# Altium PCB UltraZOhm_CarrierBoard.PcbDoc (part 8 of 12)
Units mm, origin at the board's own origin, x right, y up, seen from the top; angles counter-clockwise.
Board outline 350 x 128 mm, 6 copper layers (Top Layer, L02_GND, L03_Sig, L04_Sig, L05_VCC, Bottom Layer), stack 2.021 mm thick; 851 components, 1243 nets, 4332 pads, 2446 vias.
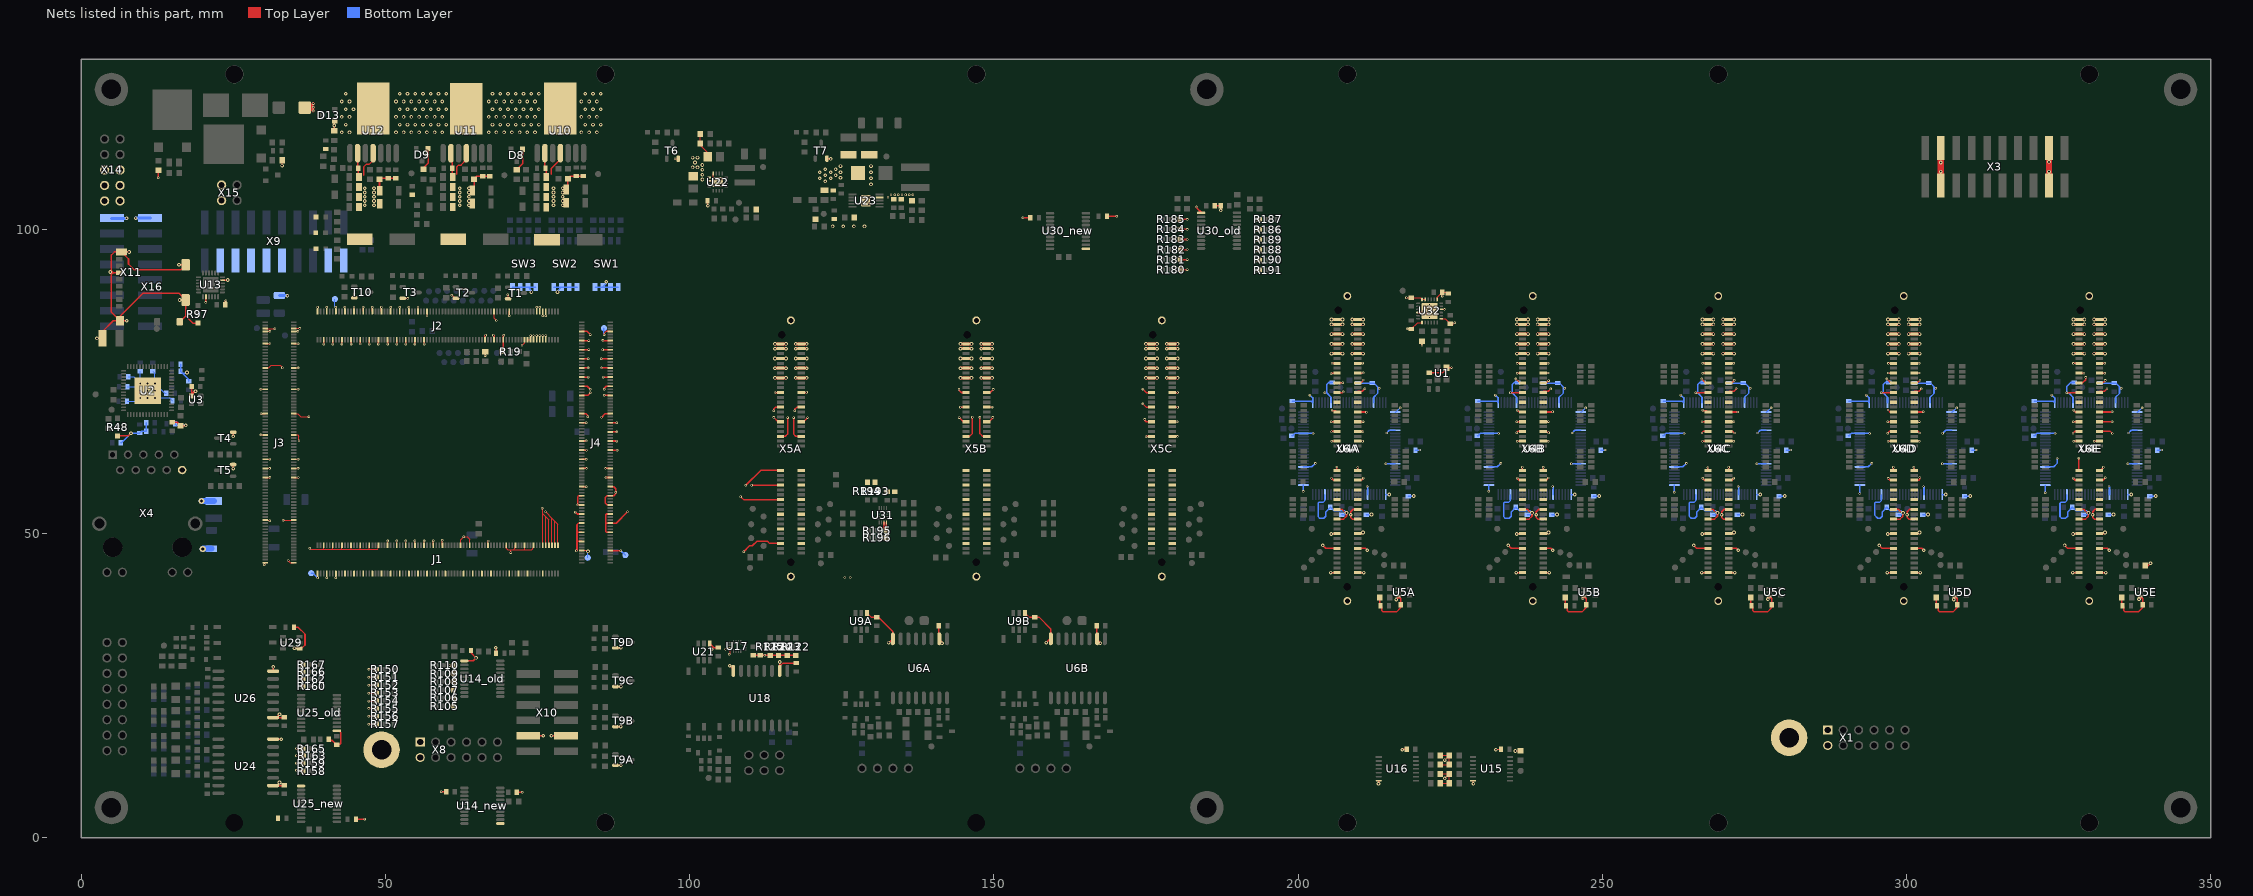
[diagram p12: the nets of this part, all layers, seen from the top]

## Via types
v1: diameter 0.4, hole 0.2, Top Layer to Bottom Layer, tented bottom, 866 vias
v2: diameter 0.4, hole 0.2, Top Layer to Bottom Layer, tented both sides, 783 vias
v3: diameter 0.6, hole 0.3, Top Layer to Bottom Layer, tented both sides, 508 vias
v4: diameter 0.6, hole 0.3, Top Layer to Bottom Layer, tented bottom, 276 vias
v5: diameter 0.5, hole 0.2, Top Layer to Bottom Layer, tented bottom, 5 vias
v6: diameter 0.5, hole 0.3, Top Layer to Bottom Layer, tented bottom, 5 vias
v7: diameter 1, hole 0.5, Top Layer to Bottom Layer, tented bottom, 2 vias
v8: diameter 0.4, hole 0.2, Top Layer to Bottom Layer, 1 vias

## Nets (pads, with @x,y where several pads share a name; then routed paths per layer and width w, separated by ;. In a path a pad name is that pad's centre, name@x,y a point inside that pad or via, vN(x,y) a via of type N, cw(c..) or ccw(c..) an arc to the next point about the centre after c; other vN are vias at no path point) (continued)
GND: C1.1 C2.1 C3.1 C4.2 C5.2 C6.2 C7.2 C8.2 C9.2 C10.2 C11.2 C12.2 C13.2 C14.2 C15.2 C16.1 C17.1 C18.1 C19.2 C20.2 C22A.1 C22B.1 C22C.1 C22D.1 C22E.1 C23A.1 C23B.1 C23C.1 C23D.1 C23E.1 C24A.1 C24B.1 C24C.1 C24D.1 C24E.1 C25A.1 C25B.1 C25C.1 C25D.1 C25E.1 C26A.1 C26B.1 C26C.1 C26D.1 C26E.1 C27A.1 C27B.1 C27C.1 C27D.1 C27E.1 C28A.1 C28B.1 C28C.1 C28D.1 C28E.1 C29A.1 C29B.1 C29C.1 C29D.1 C29E.1 C30A.1 C30B.1 C30C.1 C30D.1 C30E.1 C31A.1 C31B.1 C31C.1 C31D.1 C31E.1 C32A.1 C32B.1 C32C.1 C32D.1 C32E.1 C33A.1 C33B.1 C33C.1 C33D.1 C33E.1 C34A.1 C34B.1 C38A.2 C38B.2 C41.2 C42.2 C43.2 C44.2 C45.1 C46.2 C47.2 C48.1 C49.1 C50.2 C51.2 C52.2 C53.2 C54.2 C55.1 C56.2 C57.2 C58.1 C59.1 C60.2 C61.2 C62.2 C63.2 C64.2 C65.1 C66.2 C67.2 C68.1 C69.1 C70.2 C71.2 C72.1 C73.1 C74.1 C75.1 C76.1 C77.1 C78.2 C79.1 C82.2 C85.2 C86.2 C87.2 C89.2 C90.1 C91.1 C92.1 C93.1 C94.2 C95.2 C96.1 C98.1 C100.2 C101.2 C103.2 C108.1 C109.1 C110.2 C111.1 C112.2 C113.1 C114.2 C115.2 C116.1 C117.2 C118.2 C119.1 C120.1 C122.2 C123.2 C124.2 C125.2 D8.1 D9.1 D10.1 D11.1 D12.1 D13.1 D17.2 D23.2 J1.1 J1.6 J1.7 J1.12 J1.13 J1.18 J1.19 J1.24 J1.25 J1.30 J1.31 J1.36 J1.37 J1.42 J1.43 J1.48 J1.49 J1.54 J1.55 J1.60 J1.61 J1.66 J1.67 J1.72 J1.73 J1.78 J1.79 J1.84 J1.85 J1.96 J1.97 J1.102 J1.103 J1.109 J1.114 J1.115 J1.126 J1.127 J1.132 J1.133 J1.138 J1.139 J1.144 J1.149 J1.150 J1.152 J1.154 J1.156 J1.158 J1.160 J2.2 J2.5 J2.8 J2.11 J2.14 J2.17 J2.20 J2.23 J2.26 J2.29 J2.32 J2.35 J2.38 J2.41 J2.44 J2.47 J2.50 J2.53 J2.56 J2.59 J2.62 J2.65 J2.68 J2.71 J2.74 J2.111 J2.117 J2.118 J2.123 J2.128 J2.137 J2.139 J2.141 J2.143 J2.145 J2.146 J2.147 J2.148 J2.149 J2.150 J2.151 J2.152 J3.1 J3.2 J3.29 J3.30 J3.57 J3.58 J3.63 J3.64 J3.69 J3.70 J3.85 J3.86 J3.99 J3.100 J3.115 J3.116 J3.129 J3.130 J3.145 J3.146 J3.153 J3.154 J3.155 J3.156 J4.9 J4.10 J4.16 J4.21 J4.22 J4.27 J4.28 J4.33 J4.34 J4.39 J4.40 J4.45 J4.46 J4.51 J4.52 J4.57 J4.63 J4.64 J4.70 J4.75 J4.76 J4.81 J4.82 J4.87 J4.93 J4.94 J4.99 J4.100 J4.111 J4.112 J4.117 J4.118 J4.123 J4.124 J4.129 J4.130 J4.135 J4.136 J4.141 J4.142 J4.147 J4.148 J4.153 J4.154 R10.1 R19.1 R42.1 R48.3 R55.2 R56.2 R75A.2 R75B.2 R75C.2 R75D.2 R75E.2 R83.1 R85.1 R87.1 R89.1 R94.1 R96.1 R97.1 R105.1 R106.1 R107.1 R108.1 R109.1 R110.1 R111.1 R112.1 R113.1 R114.1 R115.1 R116.1 R117.1 R118.1 R119.1 R122.3 R123.1 R124.3 R125.3 R137.1 R138.2 R144.2 R145.2 R150.1 R151.1 R152.1 R153.1 R154.1 R155.1 R156.1 R157.1 R158.3 R159.3 R160.3 R162.3 R163.1 R165.1 R166.1 R167.1 R173.1 R180.1 R181.1 R182.1 R183.1 R184.1 R185.1 R186.1 R187.1 R188.1 R189.1 R190.1 R191.1 R193.3 R194.3 R195.3 R196.3 R200.1 R205.1 R206.1 R220.1 SW1.1 SW1.2 SW1.3 SW1.4 SW2.1 SW2.2 SW2.3 SW2.4 SW3.1 SW3.2 SW3.3 SW3.4 T1.2 T2.2 T3.2 T4.2 T5.2 T6.2 T7.2 T9A.2 T9B.2 T9C.2 T9D.2 T10.2 TP28.1 TP29.1 TP30.1 TP31.1 TP32.1 U1.2 U2.57 U3.2 U4A.1 U4A.7 U4A.18 U4A.26 U4A.32 U4A.46 U4A.51 U4A.57 U4A.68 U4A.76 U4A.82 U4A.96 U4B.1 U4B.7 U4B.18 U4B.26 U4B.32 U4B.46 U4B.51 U4B.57 U4B.68 U4B.76 U4B.82 U4B.96 U4C.1 U4C.7 U4C.18 U4C.26 U4C.32 U4C.46 U4C.51 U4C.57 U4C.68 U4C.76 U4C.82 U4C.96 U4D.1 U4D.7 U4D.18 U4D.26 U4D.32 U4D.46 U4D.51 U4D.57 U4D.68 U4D.76 U4D.82 U4D.96 U4E.1 U4E.7 U4E.18 U4E.26 U4E.32 U4E.46 U4E.51 U4E.57 U4E.68 U4E.76 U4E.82 U4E.96 U5A.3 U5B.3 U5C.3 U5D.3 U5E.3 U6A.2 U6A.8 U6B.2 U6B.8 U9A.4 U9B.4 U10.2 U10.4 U10.8 U11.2 U11.4 U11.8 U12.2 U12.4 U12.8 U13.2 U13.11 U14_new.11 U14_old.1 U15.7 U16.7 U17.7 U17.8 U18.2 U18.8 U21.4 U22.4 U22.5 U22.6 U22.17@104.623,107.782 U23.9 U23.11 U24.2 U24.8 U25_new.11 U25_old.1 U26.2 U26.8 U29.4 U30_new.11 U30_old.1 U31.7 U31.8 U32.1 U32.4 U32.7 U32.11 U32.12 U32.16 U32.19 U32.25 X1.1 X1.2 X1.H1 X3.2 X3.9 X3.12 X3.19 X4.10 X5A.1 X5A.2 X5A.3 X5A.4 X5A.7 X5A.8 X5A.11 X5A.12 X5A.15 X5A.16 X5A.21 X5A.22 X5A.27 X5A.28 X5A.33 X5A.34 X5A.39 X5A.40 X5A.45 X5A.46 X5A.51 X5A.52 X5A.57 X5A.58 X5A.63 X5A.64 X5A.69 X5A.70 X5A.75 X5A.76 X5A.G1 X5A.G2 X5B.1 X5B.2 X5B.3 X5B.4 X5B.7 X5B.8 X5B.11 X5B.12 X5B.15 X5B.16 X5B.21 X5B.22 X5B.27 X5B.28 X5B.33 X5B.34 X5B.39 X5B.40 X5B.45 X5B.46 X5B.51 X5B.52 X5B.57 X5B.58 X5B.63 X5B.64 X5B.69 X5B.70 X5B.75 X5B.76 X5B.G1 X5B.G2 X5C.1 X5C.2 X5C.3 X5C.4 X5C.7 X5C.8 X5C.11 X5C.12 X5C.15 X5C.16 X5C.21 X5C.22 X5C.27 X5C.28 X5C.33 X5C.34 X5C.39 X5C.40 X5C.45 X5C.46 X5C.51 X5C.52 X5C.57 X5C.58 X5C.63 X5C.64 X5C.69 X5C.70 X5C.75 X5C.76 X5C.G1 X5C.G2 X6A.1 X6A.2 X6A.3 X6A.4 X6A.7 X6A.8 X6A.11 X6A.12 X6A.15 X6A.16 X6A.19 X6A.20 X6A.23 X6A.24 X6A.27 X6A.28 X6A.31 X6A.32 X6A.35 X6A.36 X6A.39 X6A.40 X6A.43 X6A.44 X6A.47 X6A.48 X6A.51 X6A.52 X6A.55 X6A.56 X6A.59 X6A.60 X6A.63 X6A.64 X6A.67 X6A.68 X6A.71 X6A.72 X6A.75 X6A.76 X6A.81 X6A.82 X6A.87 X6A.88 X6A.97 X6A.98 X6A.G1 X6A.G2 X6B.1 X6B.2 X6B.3 X6B.4 X6B.7 X6B.8 X6B.11 X6B.12 X6B.15 X6B.16 X6B.19 X6B.20 X6B.23 X6B.24 X6B.27 X6B.28 X6B.31 X6B.32 X6B.35 X6B.36 X6B.39 X6B.40 X6B.43 X6B.44 X6B.47 X6B.48 X6B.51 X6B.52 X6B.55 X6B.56 X6B.59 X6B.60 X6B.63 X6B.64 X6B.67 X6B.68 X6B.71 X6B.72 X6B.75 X6B.76 X6B.81 X6B.82 X6B.87 X6B.88 X6B.97 X6B.98 X6B.G1 X6B.G2 X6C.1 X6C.2 X6C.3 X6C.4 X6C.7 X6C.8 X6C.11 X6C.12 X6C.15 X6C.16 X6C.19 X6C.20 X6C.23 X6C.24 X6C.27 X6C.28 X6C.31 X6C.32 X6C.35 X6C.36 X6C.39 X6C.40 X6C.43 X6C.44 X6C.47 X6C.48 X6C.51 X6C.52 X6C.55 X6C.56 X6C.59 X6C.60 X6C.63 X6C.64 X6C.67 X6C.68 X6C.71 X6C.72 X6C.75 X6C.76 X6C.81 X6C.82 X6C.87 X6C.88 X6C.97 X6C.98 X6C.G1 X6C.G2 X6D.1 X6D.2 X6D.3 X6D.4 X6D.7 X6D.8 X6D.11 X6D.12 X6D.15 X6D.16 X6D.19 X6D.20 X6D.23 X6D.24 X6D.27 X6D.28 X6D.31 X6D.32 X6D.35 X6D.36 X6D.39 X6D.40 X6D.43 X6D.44 X6D.47 X6D.48 X6D.51 X6D.52 X6D.55 X6D.56 X6D.59 X6D.60 X6D.63 X6D.64 X6D.67 X6D.68 X6D.71 X6D.72 X6D.75 X6D.76 X6D.81 X6D.82 X6D.87 X6D.88 X6D.97 X6D.98 X6D.G1 X6D.G2 X6E.1 X6E.2 X6E.3 X6E.4 X6E.7 X6E.8 X6E.11 X6E.12 X6E.15 X6E.16 X6E.19 X6E.20 X6E.23 X6E.24 X6E.27 X6E.28 X6E.31 X6E.32 X6E.35 X6E.36 X6E.39 X6E.40 X6E.43 X6E.44 X6E.47 X6E.48 X6E.51 X6E.52 X6E.55 X6E.56 X6E.59 X6E.60 X6E.63 X6E.64 X6E.67 X6E.68 X6E.71 X6E.72 X6E.75 X6E.76 X6E.81 X6E.82 X6E.87 X6E.88 X6E.97 X6E.98 X6E.G1 X6E.G2 X8.1 X8.2 X8.H1 X9.4 X9.6 X9.8 X9.10 X9.12 X9.18 X9.20 X10.2 X10.8 X11.8 X11.16 X14.3 X14.4 X14.5 X14.8 X14.9 X14.10 X15.1 X15.2 X16.6 X16.10 X16.G1 X16.G2 X16.G3 X16.G4 | length 1202.4
  Top Layer w0.2: v2(29.566,66.243) 30.28,66.243 J3.86@30.287,66.236 ; v2(29.566,73.736) J3.116@30.287,73.736 ; v2(29.591,69.723) 29.604,69.736 J3.100@30.287,69.736 ; v2(30.099,44.882) 30.287,45.07 J3.2@30.287,45.236 ; J3.30@30.287,52.236 30.924,52.236 v2(31.013,52.146) ; J3.58@30.287,59.236 31.017,59.236 v2(31.039,59.258) ; J3.64@30.287,60.736 30.983,60.736 v2(30.988,60.731) ; J3.70@30.287,62.236 30.994,62.236 v2(31.013,62.255) ; J3.130@30.287,77.236 30.83,77.236 31.242,77.648 32.715,77.648 v1(33.096,77.267) ; J3.146@30.287,81.236 31.02,81.236 v2(31.039,81.255) ; J3.154@30.287,83.236 v2(31.039,83.236) ; J3.156@30.287,83.736 30.33,83.693 v1(31.852,83.693) ; R173.1@33.036,111.369 33.036,110.49 v3(33.042,110.484) ; v1(33.198,52.222) 34.943,52.222 J3.29@34.957,52.236 ; v2(34.061,45.593) 34.418,45.236 J3.1@34.957,45.236 ; J3.57@34.957,59.236 35.684,59.236 v2(35.687,59.233) ; J3.63@34.957,60.736 35.657,60.736 v2(35.662,60.731) ; J3.69@34.957,62.236 35.656,62.236 v2(35.662,62.23) ; J3.85@34.957,66.236 35.618,66.236 35.814,66.04 v2(35.814,65.278) ; J3.99@34.957,69.736 35.623,69.736 36.144,69.215 37.414,69.215 v1(37.44,69.24) ; J3.115@34.957,73.736 v1(35.662,73.736) ; J3.129@34.957,77.236 35.656,77.236 v2(35.662,77.241) ; J3.145@34.957,81.236 35.655,81.236 v2(35.662,81.229) ; J3.153@34.957,83.236 v2(35.636,83.236) ; J3.155@34.957,83.736 35.933,83.736 v1(35.941,83.744) ; v1(37.6,47.6) 37.744,47.456 39.872,47.456 ; v2(38.862,42.748) 38.872,42.758 J1.1@38.872,43.451 ; v2(38.862,87.224) 38.872,87.214 J2.2@38.872,86.521 ; J1.6@39.872,48.121 39.872,47.456 ; v2(40.361,42.748) 40.372,42.76 J1.7@40.372,43.451 ; v2(40.361,87.224) 40.372,87.212 J2.8@40.372,86.521 ; J1.12@41.372,48.121 41.372,47.47 41.386,47.456 ; v2(41.859,42.748) 41.872,42.761 J1.13@41.872,43.451 ; v2(41.859,87.224) 41.872,87.211 J2.14@41.872,86.521 ; J1.18@42.872,48.121 42.872,47.484 42.9,47.456 ; v2(43.358,87.224) 43.372,87.209 J2.20@43.372,86.521 ; J1.24@44.372,48.121 44.372,47.484 44.4,47.456 ; v2(44.856,87.224) 44.872,87.208 J2.26@44.872,86.521 ; v2(44.882,89.433) 44.899,89.416 T10.2@44.899,88.75 ; J1.30@45.872,48.121 45.872,47.484 45.9,47.456 ; v2(46.355,87.224) 46.372,87.207 J2.32@46.372,86.521 ; J1.36@47.372,48.121 47.372,47.484 47.4,47.456 ; v2(47.854,87.224) 47.872,87.205 J2.38@47.872,86.521 ; J1.42@48.872,48.121 48.872,47.572 48.756,47.456 47.4,47.456 ; v2(49.352,87.224) 49.372,87.204 J2.44@49.372,86.521 ; v2(50.368,48.819) 50.372,48.815 J1.48@50.372,48.121 ; J2.50@50.872,86.521 50.872,87.219 v2(50.876,87.224) ; v2(51.867,48.819) 51.872,48.814 J1.54@51.872,48.121 ; J2.56@52.372,86.521 52.372,87.221 v2(52.375,87.224) ; T3.2@52.856,88.692 53.65,88.692 v2(53.67,88.671) ; v2(53.365,48.819) 53.372,48.812 J1.60@53.372,48.121 ; J2.62@53.872,86.521 53.872,87.222 v2(53.873,87.224) ; v2(54.864,48.844) 54.872,48.836 J1.66@54.872,48.121 ; J2.68@55.372,86.521 v2(55.372,87.224) ; v2(56.363,48.819) 56.372,48.809 J1.72@56.372,48.121 ; v2(56.845,85.801) 56.872,85.828 J2.74@56.872,86.521 ; v2(57.861,48.844) 57.872,48.833 J1.78@57.872,48.121 ; v2(59.36,48.92) 59.36,48.133 J1.84@59.372,48.121 ; v2(60.935,89.179) 61.011,89.179 61.527,88.664 T2.2@61.606,88.664 ; J1.96@62.372,48.121 62.372,48.972 v1(62.9,49.5) 63.5,49.5 63.872,49.128 J1.102@63.872,48.121 ; J1.114@66.872,48.121 66.872,48.772 v2(66.9,48.8) ; J2.118@67.872,86.521 67.872,85.417 v1(68.25,85.039) ; J1.126@69.872,48.121 69.872,47.628 70.1,47.4 70.6,47.4 ; v2(70.104,89.281) 70.175,89.21 T1.2@70.175,88.6 ; J2.128@70.372,86.521 70.372,85.838 v2(70.383,85.827) ; v1(70.6,46.9) 70.6,47.4 ; J1.132@71.372,48.121 71.372,47.672 71.1,47.4 ; v2(72.466,80.975) 72.872,81.381 J2.137@72.872,81.851 ; J1.138@72.872,48.121 72.872,47.472 72.8,47.4 ; J2.139@73.372,81.851 J2.141@73.872,81.851 73.872,82.541 v2(73.863,82.55) ; v2(74.346,82.55) 74.372,82.524 J2.143@74.372,81.851 ; J1.144@74.372,48.121 74.372,47.738 74.034,47.4 72.8,47.4 ; v2(74.854,82.55) 74.872,82.532 J2.145@74.872,81.851 ; J2.146@74.872,86.521 74.872,87.216 v2(74.879,87.224) ; v2(75.362,82.55) 75.372,82.54 J2.147@75.372,81.851 ; J2.148@75.372,86.521 75.372,87.208 v2(75.387,87.224) ; v1(75.768,54.178) 75.872,54.074 75.872,53.264 ; v2(75.87,82.55) 75.872,82.548 J2.149@75.872,81.851 ; v2(75.87,85.827) 75.872,85.829 J2.150@75.872,86.521 ; J1.150@75.872,48.121 75.872,53.264 ; v1(76.327,53.619) 77.372,52.574 ; J1.152@76.372,48.121 76.372,52.764 ; J2.151@76.372,81.851 76.372,82.544 v2(76.378,82.55) ; J2.152@76.372,86.521 76.372,85.832 v2(76.378,85.827) ; J1.154@76.872,48.121 76.872,52.264 76.372,52.764 ; J1.156@77.372,48.121 77.372,52.574 ; J1.158@77.872,48.121 77.872,52.074 ; J1.160@78.372,48.121 78.372,51.574 77.872,52.074 ; J4.10@82.287,47.236 82.351,47.3 83.1,47.3 v3(83.3,47.1) ; v2(97.6,111.6) 97.613,111.613 T6.2@98.131,111.613 ; R138.2@101.766,115.656 101.766,113.834 102.988,112.612 C86.2@102.988,111.923 ; C87.2@102.958,104.709 102.958,103.942 v4(103,103.9) ; U22.6@103.223,108.032 103.873,108.032 v6(104.123,108.282) ; U22.4@103.873,109.182 103.873,108.532 v6(104.123,108.282) ; v6(104.623,107.782) v6(104.123,108.282) ; v2(105.9,31) 106.173,31.273 U17.7@106.646,31.273 ; v2(106.5,30.2) 106.646,30.346 U17.8@106.646,30.873 ; v3(106.6,28.3) 107.186,27.714 U18.8@107.186,27.464 ; v1(217.8,88.775) 217.801,88.774 C113.1@218.553,88.774 220.079,88.774 U32.12@220.354,88.499 U32.11@220.854,88.499 ; v1(217.9,83.65) 217.901,83.649 C112.2@218.603,83.649 219.653,84.699 U32.19@220.354,84.699 ; R206.1@220.346,81.651 220.346,80.954 v1(220.35,80.95) ; U32.7@222.854,88.499 222.854,88.858 C114.2@223.701,89.706 ; R115.1@223.391,8.995 R114.1@224.839,8.995 R113.1@224.839,10.519 ; R116.1@223.391,10.519 R113.1@224.839,10.519 ; R117.1@223.391,12.043 R112.1@224.839,12.043 R111.1@224.839,13.539 ; R119.1@223.391,13.567 R111.1@224.839,13.567 R111.1@224.839,13.539 ; U32.1@223.504,85.349 224.157,85.349 C115.2@225.007,84.499 225.549,84.499 v1(225.725,84.675) ; U32.4@223.504,86.849 224.049,86.849 v1(224.05,86.85) ; v1(223.7,89.05) 223.701,89.051 C114.2@223.701,89.706 ; v3(224.1,9.8) 224.12,9.8 R113.1@224.839,10.519 ; v3(224.1,12.8) R111.1@224.839,13.539 ; C116.1@224.706,89.474 224.474,89.706 C114.2@223.701,89.706 ; U15.7@228.741,9.413 228.741,8.959 v3(228.8,8.9) ; v3(232.5,14.5) 232.583,14.583 C76.1@233.321,14.583 ; v3(235.7,14.3) 235.767,14.367 R118.1@236.561,14.367 ; 39.872,47.456 41.386,47.456 ; 41.386,47.456 42.9,47.456 ; 42.9,47.456 44.4,47.456 ; 44.4,47.456 45.9,47.456 ; 45.9,47.456 47.4,47.456 ; 70.6,47.4 71.1,47.4 ; 71.1,47.4 72.8,47.4 ; 75.872,53.264 76.372,52.764 ; 77.372,52.574 77.872,52.074
  Top Layer w0.254: v3(2.6,82.1) 2.607,82.093 C72.1@3.541,82.093 3.541,83.241 5.282,84.982 X16.G1@6.415,84.982 ; v3(4.8,93) 4.908,92.892 5.292,92.892 ; R48.3@6.001,66.075 7.775,66.075 v4(8.2,66.5) ; v3(7.5,85) 7.482,84.982 X16.G1@6.415,84.982 ; v3(7.9,96.3) 7.898,96.302 X16.G2@6.64,96.302 ; v1(12.7,108.5) R220.1@12.7,109.7 ; C18.1@14.999,68.312 15.805,68.312 R56.2@16.344,67.774 17.174,67.774 v3(17.2,67.8) ; v3(16.1,94.2) 16.123,94.177 X16.G3@17.19,94.177 16.414,93.4 8.7,93.4 7.8,94.3 7.8,95.142 X16.G2@6.64,96.302 ; v3(16.2,88.4) 16.207,88.407 X16.G4@17.19,88.407 ; X16.10@16.215,84.807 17.19,85.782 ; U3.2@18.037,72.756 U3.2@18.186,72.905 ; C3.1@18.186,74.191 U3.2@18.186,72.905 ; v3(18.8,73.4) 18.681,73.4 U3.2@18.186,72.905 ; R97.1@19.204,84.615 18.357,84.615 17.19,85.782 ; v2(20.5,88) 20.525,88.025 U13.2@20.525,88.949 ; U13.11@23.225,91.649 24.049,91.649 v3(24.1,91.7) ; C71.2@23.703,87.596 23.703,88.203 v2(23.8,88.3) ; T5.2@24.986,61.361 24.986,60.714 v4(25,60.7) ; v3(25,66) 25.01,66.01 T4.2@25.01,66.661 ; U24.2@31.566,8.609 U24.2@32.104,8.609 ; U24.8@31.566,16.229 32.891,16.229 v3(32.893,16.231) ; U26.2@31.566,19.785 U26.2@32.078,19.785 ; U26.8@31.566,27.405 31.566,28.112 v3(31.572,28.118) ; v3(32.614,9.119) U24.2@32.104,8.609 ; v3(32.614,20.32) U26.2@32.078,19.785 ; C96.1@33.416,8.674 33.351,8.609 U24.2@32.104,8.609 ; C98.1@33.416,19.85 33.351,19.785 U26.2@32.078,19.785 ; C103.2@35.003,34.631 35.669,34.631 36.8,33.5 36.8,31.7 36.241,31.141 35.103,31.141 v4(35.077,31.166) ; v1(35.388,11.1) R158.3@36.412,11.1 ; v1(35.388,12.3) R159.3@36.412,12.3 ; v1(35.388,13.5) R163.1@36.412,13.5 ; v1(35.4,14.7) R165.1@36.425,14.7 ; J2.5@39.872,81.851 39.872,81.159 v2(39.878,81.153) ; C120.1@40.477,16.423 C120.1@40.7,16.2 40.882,16.018 41.282,16.018 41.677,15.623 41.677,15.523 41.9,15.3 C119.1@42,15.3 42.082,15.382 42.551,15.382 42.7,15.531 42.7,17.3 42.378,17.622 U25_old.1@41.956,17.622 ; J2.11@41.372,81.851 41.372,81.158 v2(41.377,81.153) ; R96.1@41.613,116.213 v3(41.613,117.08) 41.613,117.732 D13.1@41.717,117.836 ; J2.17@42.872,81.851 42.872,81.156 v2(42.875,81.153) ; J2.23@44.372,81.851 44.372,81.155 v2(44.374,81.153) ; C100.2@45.3,3.1 v1(46.6,3.1) ; U12.2@45.449,112.537 45.449,110.159 C65.1@45.555,110.053 45.555,108.751 C64.2@45.683,108.623 ; v2(45.872,81.178) J2.29@45.872,81.851 ; 46.435,108.88 46.435,110.28 46.835,110.68 47.335,110.68 47.989,111.334 U12.4@47.989,112.537 ; v1(47.288,18.7) R157.1@48.512,18.7 ; v1(47.288,20) R156.1@48.512,20 ; v1(47.288,21.3) R155.1@48.512,21.3 ; v1(47.288,22.5) R154.1@48.512,22.5 ; v1(47.288,23.8) R153.1@48.512,23.8 ; v1(47.288,25.1) R152.1@48.512,25.1 ; v1(47.288,26.4) R151.1@48.512,26.4 ; v1(47.3,27.7) R150.1@48.525,27.7 ; v2(47.371,81.153) v2(47.371,81.153) J2.35@47.372,81.851 ; v2(48.87,81.153) 48.872,81.155 J2.41@48.872,81.851 ; C68.1@49.074,106.358 49.074,106.958 49.047,106.985 R94.1@49.047,108.225 49.227,108.405 C67.2@51.681,108.405 ; v2(50.368,81.153) 50.372,81.157 J2.47@50.372,81.851 ; v2(51.867,81.153) 51.872,81.158 J2.53@51.872,81.851 ; v2(53.365,81.153) 53.372,81.16 J2.59@53.372,81.851 ; v2(54.864,81.153) 54.872,81.161 J2.65@54.872,81.851 ; R89.1@56.249,109.869 56.249,110.094 57.035,110.88 57.035,113.25 D9.1@56.985,113.3 56.985,112.63 v3(56.735,112.38) ; J2.71@56.372,81.851 56.372,81.169 v2(56.388,81.153) ; v1(59.2,7.6) C124.2@60,7.6 ; v2(60.554,23.012) R106.1@61.202,23.012 ; v2(60.554,24.384) 60.574,24.364 R107.1@61.202,24.364 ; v2(60.579,21.692) 60.587,21.684 R105.1@61.202,21.684 ; v2(60.579,25.705) R108.1@61.202,25.705 ; v2(60.579,27.026) v2(60.579,27.026) R109.1@61.202,27.025 ; v2(60.579,28.321) 60.624,28.366 R110.1@61.202,28.366 ; U11.2@60.775,112.525 60.984,112.316 60.984,108.702 C54.2@61.07,108.615 ; 61.735,109.08 61.735,110.28 62.035,110.58 62.435,110.58 63.315,111.46 U11.4@63.315,112.525 ; U14_old.1@63.207,29.125 64.456,29.125 v3(64.922,29.591) 64.062,30.451 C74.1@64.062,30.808 ; C58.1@64.267,106.389 64.585,106.707 R87.1@64.585,108.281 65.029,108.725 C57.2@67.171,108.725 ; R10.1@66.372,79.978 R10.1@66.416,79.933 66.416,79.294 v1(66.396,79.273) ; J2.111@66.372,81.851 66.372,82.501 v2(66.472,82.601) ; v2(67.767,82.626) 67.872,82.521 J2.117@67.872,81.851 ; v3(68.148,31.267) 68.199,31.217 C73.1@68.199,30.377 ; R19.1@69.053,79.856 69.372,80.175 69.372,82.529 v2(69.469,82.626) ; C125.2@71.6,7.5 v1(72.5,7.5) ; R85.1@71.601,109.843 72.556,110.798 72.556,112.501 ; v3(72.235,112.18) 72.556,112.501 ; D8.1@72.556,113.209 72.556,112.501 ; X10.2@73.488,16.79 v3(75.941,16.79) ; U10.2@76.229,112.549 76.229,110.149 76.448,109.93 C44.2@76.448,108.614 ; 77.235,109.08 77.235,109.991 78.769,111.525 U10.4@78.769,112.549 ; v3(77.292,16.789) X10.8@79.711,16.79 ; C49.1@79.745,106.565 79.988,106.808 R83.1@79.988,108.356 80.407,108.774 C47.2@82.523,108.774 ; v1(81.24,53.55) 81.554,53.236 J4.34@82.287,53.236 ; v2(81.4,47.2) 81.5,47.3 81.5,48.7 ; J4.16@82.287,48.736 81.536,48.736 81.5,48.7 ; J4.22@82.287,50.236 81.536,50.236 81.5,50.2 ; J4.28@82.287,51.736 81.736,51.736 81.5,51.5 81.5,50.2 ; J4.40@82.287,54.736 v2(81.585,54.737) v2(81.585,54.737) 81.585,56.032 81.788,56.236 J4.46@82.287,56.236 ; J4.52@82.287,57.736 83.005,57.736 v2(83.007,57.734) ; J4.64@82.287,60.736 83.053,60.736 v2(83.058,60.731) ; J4.70@82.287,62.236 83.027,62.236 v2(83.033,62.23) ; J4.76@82.287,63.736 83.051,63.736 v2(83.058,63.729) ; J4.82@82.287,65.236 82.991,65.236 v2(83.007,65.253) ; J4.94@82.287,68.236 82.996,68.236 v2(83.007,68.224) ; J4.100@82.287,69.736 82.943,69.736 83.261,69.418 v1(83.261,69.215) ; J4.112@82.287,72.736 83.302,72.736 v1@83.718,73.152 ; J4.118@82.287,74.236 83.168,74.236 v1(83.668,73.736) ; J4.124@82.287,75.736 83.356,75.736 v1(83.363,75.743) ; J4.130@82.287,77.236 83.307,77.236 v1(83.312,77.241) ; J4.136@82.287,78.736 83.359,78.736 v1(83.363,78.74) ; J4.142@82.287,80.236 83.386,80.236 v1(83.414,80.264) ; J4.148@82.287,81.736 v1(83.414,81.737) v1(83.414,81.737) ; J4.154@82.287,83.236 83.185,83.236 v1(83.693,82.728) ; v1(85.496,78.765) 85.526,78.736 J4.135@86.957,78.736 ; v1(85.522,69.139) 85.547,69.139 86.144,69.736 J4.99@86.957,69.736 ; v1(85.522,77.241) 85.527,77.236 J4.129@86.957,77.236 ; v1(85.7,80.239) 85.702,80.236 J4.141@86.957,80.236 ; v1(85.75,81.763) 85.777,81.736 J4.147@86.957,81.736 ; v1(85.827,75.743) 85.833,75.736 J4.123@86.957,75.736 ; v1(85.954,82.728) 85.954,82.906 86.284,83.236 J4.153@86.957,83.236 ; v1(85.979,72.746) 85.989,72.736 J4.111@86.957,72.736 ; v1(85.979,73.736) 85.979,73.914 86.301,74.236 J4.117@86.957,74.236 ; v2(86.182,60.731) 86.187,60.736 J4.63@86.957,60.736 ; v2(86.258,59.233) 86.262,59.236 J4.57@86.957,59.236 ; J4.9@86.957,47.236 88.664,47.236 v2(88.7,47.2) ; J4.21@86.957,50.236 86.364,50.236 86.2,50.4 86.2,51.75 ; J4.33@86.957,53.236 86.336,53.236 86.2,53.1 86.2,51.75 ; J4.39@86.957,54.736 86.463,54.736 86.131,55.067 86.131,55.931 86.437,56.236 87.529,56.236 87.884,56.591 v2(87.884,56.82) 87.884,57.379 87.527,57.736 J4.51@86.957,57.736 ; J4.75@86.957,63.736 88.08,63.736 v2(88.087,63.729) ; J4.87@86.957,66.736 88.052,66.736 v1(88.062,66.726) ; J4.93@86.957,68.236 88.025,68.236 v2(88.036,68.224) ; J4.81@86.966,65.227 J4.81@86.957,65.236 88.028,65.236 v2(88.036,65.227) ; T9A.2@87.815,11.929 88.707,11.929 v3(88.716,11.938) ; T9B.2@87.815,18.279 88.656,18.279 v3(88.691,18.313) ; T9C.2@87.815,24.883 88.707,24.883 v3(88.716,24.892) ; T9D.2@87.815,31.233 88.682,31.233 v3(88.716,31.267) ; v1(89.8,53.6) 87.936,51.736 86.214,51.736 86.2,51.75 ; U21.4@103.31,31.959 103.985,31.284 ; v3(103.6,31) 103.884,31.284 103.985,31.284 ; C82.2@104.72,31.284 103.985,31.284 ; v1(108.382,56.083) 108.865,55.6 X5A.57@114.94,55.6 ; v1(108.89,47.041) 109.855,48.006 110.312,48.006 111.1,48.793 112.751,48.793 113.144,48.4 X5A.75@114.94,48.4 ; v1(109.245,57.963) 111.683,60.4 X5A.45@114.94,60.4 ; v1(110.185,57.963) 110.222,58 X5A.51@114.94,58 ; C78.2@110.488,30.011 v2@112.332,30.011 ; v2(112.344,30.023) v2@112.332,30.011 ; R125.3@113.243,30.011 R125.3@113.257,29.997 ; v2(113.843,69.113) 113.856,69.113 114.569,68.4 X5A.33@114.94,68.4 ; v2(113.843,70.206) 113.843,70.485 114.158,70.8 X5A.27@114.94,70.8 ; v2(114.046,73.203) 114.049,73.2 X5A.21@114.94,73.2 ; U18.2@114.806,27.464 U18.2@114.806,28.191 ; v3(114.808,28.931) 114.806,28.929 U18.2@114.806,28.191 ; X5A.39@114.94,66 115.733,66 116.103,66.37 v2(116.103,69.088) ; v2(117.094,69.088) 117.094,66.37 117.464,66 X5A.40@118.34,66 ; v2(117.297,70.206) 117.297,70.46 117.638,70.8 X5A.28@118.34,70.8 ; R122.3@117.448,29.997 R123.1@116.051,29.997 R124.3@114.628,29.997 R125.3@113.257,29.997 ; C79.1@117.727,28.744 115.359,28.744 U18.2@114.806,28.191 ; X5A.34@118.34,68.4 118.711,68.4 119.38,69.069 v2(119.38,69.088) ; X5A.22@118.34,73.2 119.199,73.2 v2(119.228,73.228) ; T7.2@122.566,111.639 123.161,111.639 v4(123.2,111.6) ; U9A.4@129.152,36.967 129.827,36.292 131.008,36.292 133.409,33.891 U6A.8@133.409,32.72 132.789,32.1 v3(132.7,32.1) ; U31.7@131.95,51.86 131.95,50.871 R195.3@132.3,50.521 ; R196.3@132.3,49.341 R195.3@132.3,50.521 ; U31.8@132.35,51.86 132.35,50.57 R195.3@132.3,50.521 ; C34A.1@140.964,34.855 140.964,32.785 U6A.2@141.029,32.72 141.029,32.571 141.5,32.1 v3(141.5,32) ; v2(144.272,73.711) 144.272,73.558 144.628,73.203 145.417,73.203 X5B.21@145.42,73.2 ; v2(144.323,69.088) 145.011,68.4 X5B.33@145.42,68.4 ; v2(144.501,70.79) 144.511,70.8 X5B.27@145.42,70.8 ; X5B.39@145.42,66 146.01,66 146.482,66.472 v2(146.482,69.139) ; v2(147.701,69.113) 147.701,66.446 148.147,66 X5B.40@148.82,66 ; X5B.34@148.82,68.4 149.191,68.4 149.809,69.018 v2(149.809,69.113) ; X5B.28@148.82,70.8 149.692,70.8 v2(149.708,70.815) ; X5B.22@148.82,73.2 149.4,73.2 v2(149.911,73.711) ; v2(154.77,101.927) C117.2@156.044,101.927 ; U9B.4@155.105,36.967 155.78,36.292 157.408,36.292 159.362,34.338 U6B.8@159.362,32.72 159.22,32.72 v3(158.6,32.1) ; C34B.1@166.917,34.855 166.917,32.785 U6B.2@166.982,32.72 166.982,32.618 167.5,32.1 v3(167.5,32) ; C118.2@168.77,102.184 v1(170.205,102.184) ; v2(174.498,71.323) 175.021,70.8 X5C.27@175.9,70.8 ; v2(174.498,73.762) 175.06,73.2 X5C.21@175.9,73.2 ; v2(174.803,68.783) 174.803,68.656 175.059,68.4 X5C.33@175.9,68.4 ; v2(175.006,65.938) 175.068,66 X5C.39@175.9,66 ; X5C.40@179.3,66 180.151,66 v2(180.162,65.989) ; X5C.34@179.3,68.4 180.109,68.4 v2(180.111,68.402) ; X5C.28@179.3,70.8 180.177,70.8 v2(180.188,70.79) ; X5C.22@179.3,73.2 180.185,73.2 v2(180.188,73.203) ; R180.1@180.561,93.396 v1(181.788,93.396) ; R181.1@180.561,95.047 v1(181.788,95.047) ; R182.1@180.561,96.698 v1(181.788,96.698) ; R183.1@180.561,98.349 v1(181.788,98.349) ; R184.1@180.561,100 v1(181.788,100) ; R185.1@180.561,101.651 v1(181.788,101.651) ; v1(183.3,103.7) 183.3,103.575 U30_old.1@184.15,102.725 ; C109.1@186.313,103.894 187.284,103.894 C108.1@187.289,103.899 187.289,103.131 v3(187.286,103.128) ; v4(204.038,48.082) 204.52,47.6 X6A.87@206.38,47.6 ; v3(205.359,43.612) 205.371,43.6 X6A.97@206.38,43.6 ; v2(205.41,76.276) 205.486,76.352 206.332,76.352 X6A.23@206.38,76.4 ; v3(205.435,49.962) 205.473,50 X6A.81@206.38,50 ; v2(205.457,68.398) 205.458,68.4 X6A.43@206.38,68.4 ; v2(205.486,59.106) 205.792,58.8 X6A.59@206.38,58.8 ; v2(205.486,66.751) 205.535,66.8 X6A.47@206.38,66.8 ; v2(205.537,65.202) 206.378,65.202 X6A.51@206.38,65.2 ; v2(205.562,70.307) 205.638,70.231 206.149,70.231 X6A.39@206.38,70 ; v2(205.562,78.003) 205.566,78 X6A.19@206.38,78 ; v2(206.375,60.96) 206.38,60.955 X6A.55@206.38,60.4 ; X6A.75@206.38,52.4 207.467,52.4 207.95,52.883 v3(207.95,53.416) 207.772,53.416 207.188,54 X6A.71@206.38,54 ; X6A.31@206.38,73.2 207.312,73.2 v2(207.416,73.304) ; X6A.27@206.38,74.8 207.312,74.8 v2(207.315,74.803) ; X6A.98@209.78,43.6 210.783,43.6 v3(210.795,43.612) ; X6A.88@209.78,47.6 211.048,47.6 v4(211.353,47.295) ; X6A.82@209.78,50 210.477,50 v3(210.668,50.19) ; X6A.76@209.78,52.4 208.89,52.4 208.636,52.654 v3(208.636,53.111) 208.636,53.594 209.042,54 X6A.72@209.78,54 ; X6A.60@209.78,58.8 210.387,58.8 v2(210.718,59.131) ; X6A.56@209.78,60.4 209.78,60.86 v2(209.804,60.884) ; X6A.52@209.78,65.2 210.59,65.2 v2(210.591,65.202) ; X6A.48@209.78,66.8 209.782,66.802 210.591,66.802 v2(210.642,66.751) ; X6A.44@209.78,68.4 210.64,68.4 v2(210.668,68.428) ; X6A.40@209.78,70 211.178,70 v1(211.226,69.952) ; X6A.32@209.78,73.2 209.78,73.401 210.536,73.401 v2(210.972,73.838) ; X6A.28@209.78,74.8 210.334,74.8 210.693,75.159 v2(210.693,75.26) ; X6A.24@209.78,76.4 210.664,76.4 v2(210.693,76.429) ; X6A.20@209.78,78 210.563,78 v2(210.591,78.029) ; v3(213.2,8.9) 213.247,8.947 U16.7@213.247,9.413 ; R75A.2@213.43,39.532 213.43,38.235 213.75,37.915 213.75,37.4 214,37.15 216.15,37.15 216.863,37.863 216.863,39.32 216.455,39.728 216.455,39.493 v3(216.129,39.167) ; v3(217.1,14.5) 217.183,14.583 C75.1@217.827,14.583 ; U32.16@219.704,86.349 221.354,86.349 v1(221.604,86.599) ; C2.1@221.579,76.443 223.743,76.443 224.394,77.094 U1.2@224.394,77.279 225.179,77.279 v2(225.2,77.3) ; v4(234.518,48.082) 235,47.6 X6B.87@236.86,47.6 ; v1(234.874,73.152) 234.922,73.2 X6B.31@236.86,73.2 ; v2(235.788,75.438) 235.814,75.438 236.452,74.8 X6B.27@236.86,74.8 ; v3(235.839,43.612) 235.851,43.6 X6B.97@236.86,43.6 ; v3(235.915,49.962) 235.953,50 X6B.81@236.86,50 ; v2(235.915,66.599) 236.116,66.8 X6B.47@236.86,66.8 ; v2(235.915,68.402) 235.917,68.4 X6B.43@236.86,68.4 ; v2(235.991,59.131) 236.323,58.8 X6B.59@236.86,58.8 ; v2(235.991,65.202) 235.993,65.2 X6B.51@236.86,65.2 ; v2(235.991,70.307) 236.299,70 X6B.39@236.86,70 ; v2(235.991,76.378) 236.014,76.4 X6B.23@236.86,76.4 ; v2(236.017,77.978) 236.039,78 X6B.19@236.86,78 ; v2(236.855,60.935) 236.86,60.93 X6B.55@236.86,60.4 ; X6B.75@236.86,52.4 237.947,52.4 238.43,52.883 v3(238.43,53.416) 238.252,53.416 237.668,54 X6B.71@236.86,54 ; X6B.98@240.26,43.6 241.263,43.6 v4(241.275,43.612) ; X6B.88@240.26,47.6 241.528,47.6 v4(241.833,47.295) ; X6B.82@240.26,50 240.957,50 v3(241.148,50.19) ; X6B.76@240.26,52.4 239.37,52.4 239.116,52.654 v3(239.116,53.111) 239.116,53.594 239.522,54 X6B.72@240.26,54 ; X6B.60@240.26,58.8 240.766,58.8 v2(241.122,59.157) ; X6B.56@240.26,60.4 240.26,60.911 v2(240.284,60.935) ; X6B.52@240.26,65.2 241.095,65.2 v2(241.097,65.202) ; X6B.48@240.26,66.8 240.36,66.7 241.046,66.7 v2(241.148,66.599) ; X6B.44@240.26,68.4 241.095,68.4 v2(241.122,68.428) ; X6B.40@240.26,70 241.755,70 v1(241.808,70.053) ; X6B.32@240.26,73.2 240.26,73.401 241.092,73.401 v1(241.478,73.787) ; X6B.28@240.26,74.8 240.789,74.8 v2(241.148,75.159) ; X6B.24@240.26,76.4 241.068,76.4 v2(241.071,76.403) ; X6B.20@240.26,78 241.068,78 v2(241.071,78.003) ; R75B.2@243.91,39.532 243.91,38.235 244.23,37.915 244.23,37.4 244.48,37.15 246.63,37.15 247.343,37.863 247.343,39.32 246.935,39.728 246.935,39.435 v2(246.8,39.3) ; v4(264.998,48.082) 265.48,47.6 X6C.87@267.34,47.6 ; v1(265.354,73.152) 265.402,73.2 X6C.31@267.34,73.2 ; v3(266.319,43.612) 266.331,43.6 X6C.97@267.34,43.6 ; v2(266.319,75.438) 266.957,74.8 X6C.27@267.34,74.8 ; v2(266.37,66.548) 266.37,66.624 266.546,66.8 X6C.47@267.34,66.8 ; v2(266.37,68.402) 267.338,68.402 X6C.43@267.34,68.4 ; v3(266.395,49.962) 266.433,50 X6C.81@267.34,50 ; v2(266.446,65.202) 266.448,65.2 X6C.51@267.34,65.2 ; v2(266.471,59.106) 266.777,58.8 X6C.59@267.34,58.8 ; v2(266.497,70.307) 266.573,70.231 267.109,70.231 X6C.39@267.34,70 ; v2(266.497,76.378) 266.519,76.4 X6C.23@267.34,76.4 ; v2(266.497,78.003) 266.5,78 X6C.19@267.34,78 ; v2(267.335,60.884) 267.34,60.879 X6C.55@267.34,60.4 ; X6C.75@267.34,52.4 268.427,52.4 268.91,52.883 v3(268.91,53.416) 268.732,53.416 268.148,54 X6C.71@267.34,54 ; v2(270.739,60.909) 270.74,60.908 X6C.56@270.74,60.4 ; X6C.98@270.74,43.6 271.743,43.6 v3(271.755,43.612) ; X6C.88@270.74,47.6 272.008,47.6 v4(272.313,47.295) ; X6C.82@270.74,50 271.437,50 v3(271.628,50.19) ; X6C.76@270.74,52.4 269.85,52.4 269.596,52.654 v3(269.596,53.111) 269.596,53.594 270.002,54 X6C.72@270.74,54 ; X6C.60@270.74,58.8 271.246,58.8 271.551,59.106 v2(271.551,59.131) ; X6C.52@270.74,65.2 271.575,65.2 v2(271.577,65.202) ; X6C.48@270.74,66.8 271.397,66.8 271.399,66.802 271.653,66.548 v2(271.729,66.548) ; X6C.44@270.74,68.4 271.6,68.4 v2(271.602,68.402) ; X6C.40@270.74,70 272.209,70 v1(272.212,70.002) ; X6C.32@270.74,73.2 270.941,73.401 271.628,73.401 271.958,73.731 v2(271.958,73.863) ; X6C.28@270.74,74.8 271.244,74.8 v2(271.653,75.209) ; X6C.24@270.74,76.4 271.574,76.4 v2(271.577,76.403) ; X6C.20@270.74,78 271.573,78 v2(271.577,78.003) ; R75C.2@274.39,39.532 274.39,38.235 274.71,37.915 274.71,37.4 274.96,37.15 277.11,37.15 277.823,37.863 277.823,39.32 277.415,39.728 277.415,39.442 v3(277.19,39.218) ; v4(295.478,48.082) 295.96,47.6 X6D.87@297.82,47.6 ; v1(295.834,73.152) 295.882,73.2 X6D.31@297.82,73.2 ; v2(296.748,75.438) 297.386,74.8 X6D.27@297.82,74.8 ; v3(296.799,43.612) 296.811,43.6 X6D.97@297.82,43.6 ; v3(296.875,49.962) 296.913,50 X6D.81@297.82,50 ; v2(296.875,66.523) 297.153,66.8 X6D.47@297.82,66.8 ; v2(296.895,68.4) X6D.43@297.82,68.4 ; v2(296.926,70.333) 297.259,70 X6D.39@297.82,70 ; v2(296.951,65.202) 296.953,65.2 X6D.51@297.82,65.2 ; v2(296.977,59.08) 297.257,58.8 X6D.59@297.82,58.8 ; v2(297.002,76.403) 297.005,76.4 X6D.23@297.82,76.4 ; v2(297.002,77.978) 297.024,78 X6D.19@297.82,78 ; v2(297.815,60.935) 297.82,60.93 X6D.55@297.82,60.4 ; X6D.75@297.82,52.4 298.907,52.4 299.39,52.883 v3(299.39,53.416) 299.212,53.416 298.628,54 X6D.71@297.82,54 ; v2(301.193,60.935) 301.22,60.908 X6D.56@301.22,60.4 ; X6D.98@301.22,43.6 302.223,43.6 v3(302.235,43.612) ; X6D.88@301.22,47.6 302.488,47.6 v4(302.793,47.295) ; X6D.82@301.22,50 301.917,50 v3(302.108,50.19) ; X6D.76@301.22,52.4 300.33,52.4 300.076,52.654 v3(300.076,53.111) 300.076,53.594 300.482,54 X6D.72@301.22,54 ; X6D.60@301.22,58.8 301.98,58.8 302.158,58.979 v2(302.158,59.233) ; X6D.52@301.22,65.2 302.08,65.2 v2(302.082,65.202) ; X6D.48@301.22,66.8 301.906,66.8 302.133,66.573 v2(302.133,66.548) ; X6D.44@301.22,68.4 302.055,68.4 v2(302.082,68.428) ; X6D.40@301.22,70 302.689,70 v1(302.717,70.028) ; X6D.32@301.22,73.2 301.22,73.401 302.027,73.401 v2(302.412,73.787) ; X6D.28@301.22,74.8 301.749,74.8 v2(302.184,75.235) ; X6D.24@301.22,76.4 302.028,76.4 v2(302.031,76.403) ; X6D.20@301.22,78 302.028,78 v2(302.031,78.003) ; R75D.2@304.87,39.532 304.87,38.235 305.19,37.915 305.19,37.4 305.44,37.15 307.59,37.15 308.303,37.863 308.303,39.32 307.895,39.728 307.895,39.366 v3(307.721,39.192) ; v4(325.958,48.082) 326.44,47.6 X6E.87@328.3,47.6 ; v1(326.314,73.152) 326.362,73.2 X6E.31@328.3,73.2 ; v3(327.279,43.612) 327.291,43.6 X6E.97@328.3,43.6 ; v2(327.33,66.523) 327.607,66.8 X6E.47@328.3,66.8 ; v3(327.355,49.962) 327.393,50 X6E.81@328.3,50 ; v2(327.355,68.402) 327.357,68.4 X6E.43@328.3,68.4 ; v2(327.381,59.131) 327.712,58.8 X6E.59@328.3,58.8 ; v2(327.406,77.978) 327.428,78 X6E.19@328.3,78 ; v2(327.457,65.202) 327.459,65.2 X6E.51@328.3,65.2 ; v2(327.457,70.307) 327.457,70.282 327.739,70 X6E.39@328.3,70 ; v2(328.295,62.433) 328.3,62.428 X6E.55@328.3,60.4 ; X6E.75@328.3,52.4 329.387,52.4 329.87,52.883 v3(329.87,53.416) 329.692,53.416 329.108,54 X6E.71@328.3,54 ; X6E.27@328.3,74.8 328.902,74.8 329.413,75.311 329.413,75.667 v2(329.438,75.692) ; X6E.23@328.3,76.4 329.111,76.4 v2(329.133,76.378) ; v2(330.835,65.176) 330.859,65.2 X6E.52@331.7,65.2 ; X6E.98@331.7,43.6 332.703,43.6 v3(332.715,43.612) ; X6E.88@331.7,47.6 332.968,47.6 v3(333.273,47.295) ; X6E.82@331.7,50 332.397,50 v3(332.588,50.19) ; X6E.76@331.7,52.4 330.81,52.4 330.556,52.654 v3(330.556,53.111) 330.556,53.594 330.962,54 X6E.72@331.7,54 ; X6E.60@331.7,58.8 332.256,58.8 v2(332.638,59.182) ; X6E.56@331.7,60.4 331.799,60.4 v2(332.334,60.935) ; X6E.48@331.7,66.8 333.479,66.8 v1(333.807,66.472) ; X6E.44@331.7,68.4 333.754,68.4 v1(333.756,68.402) ; X6E.40@331.7,70 333.728,70 v1(333.756,70.028) ; X6E.32@331.7,73.2 331.7,73.401 332.507,73.401 v2(332.918,73.812) ; X6E.28@331.7,74.8 332.229,74.8 v2(332.613,75.184) ; X6E.24@331.7,76.4 332.515,76.4 v2(332.537,76.378) ; X6E.20@331.7,78 332.559,78 v2(332.562,78.003) ; R75E.2@335.35,39.532 335.35,38.235 335.67,37.915 335.67,37.4 335.92,37.15 338.07,37.15 338.783,37.863 338.783,39.32 338.375,39.728 338.375,39.442 v3(338.176,39.243) ; R42.1@339.232,44.773 339.693,44.773 v3(340.055,45.136) 